# Altium PCB PCB1.PcbDoc (continued)
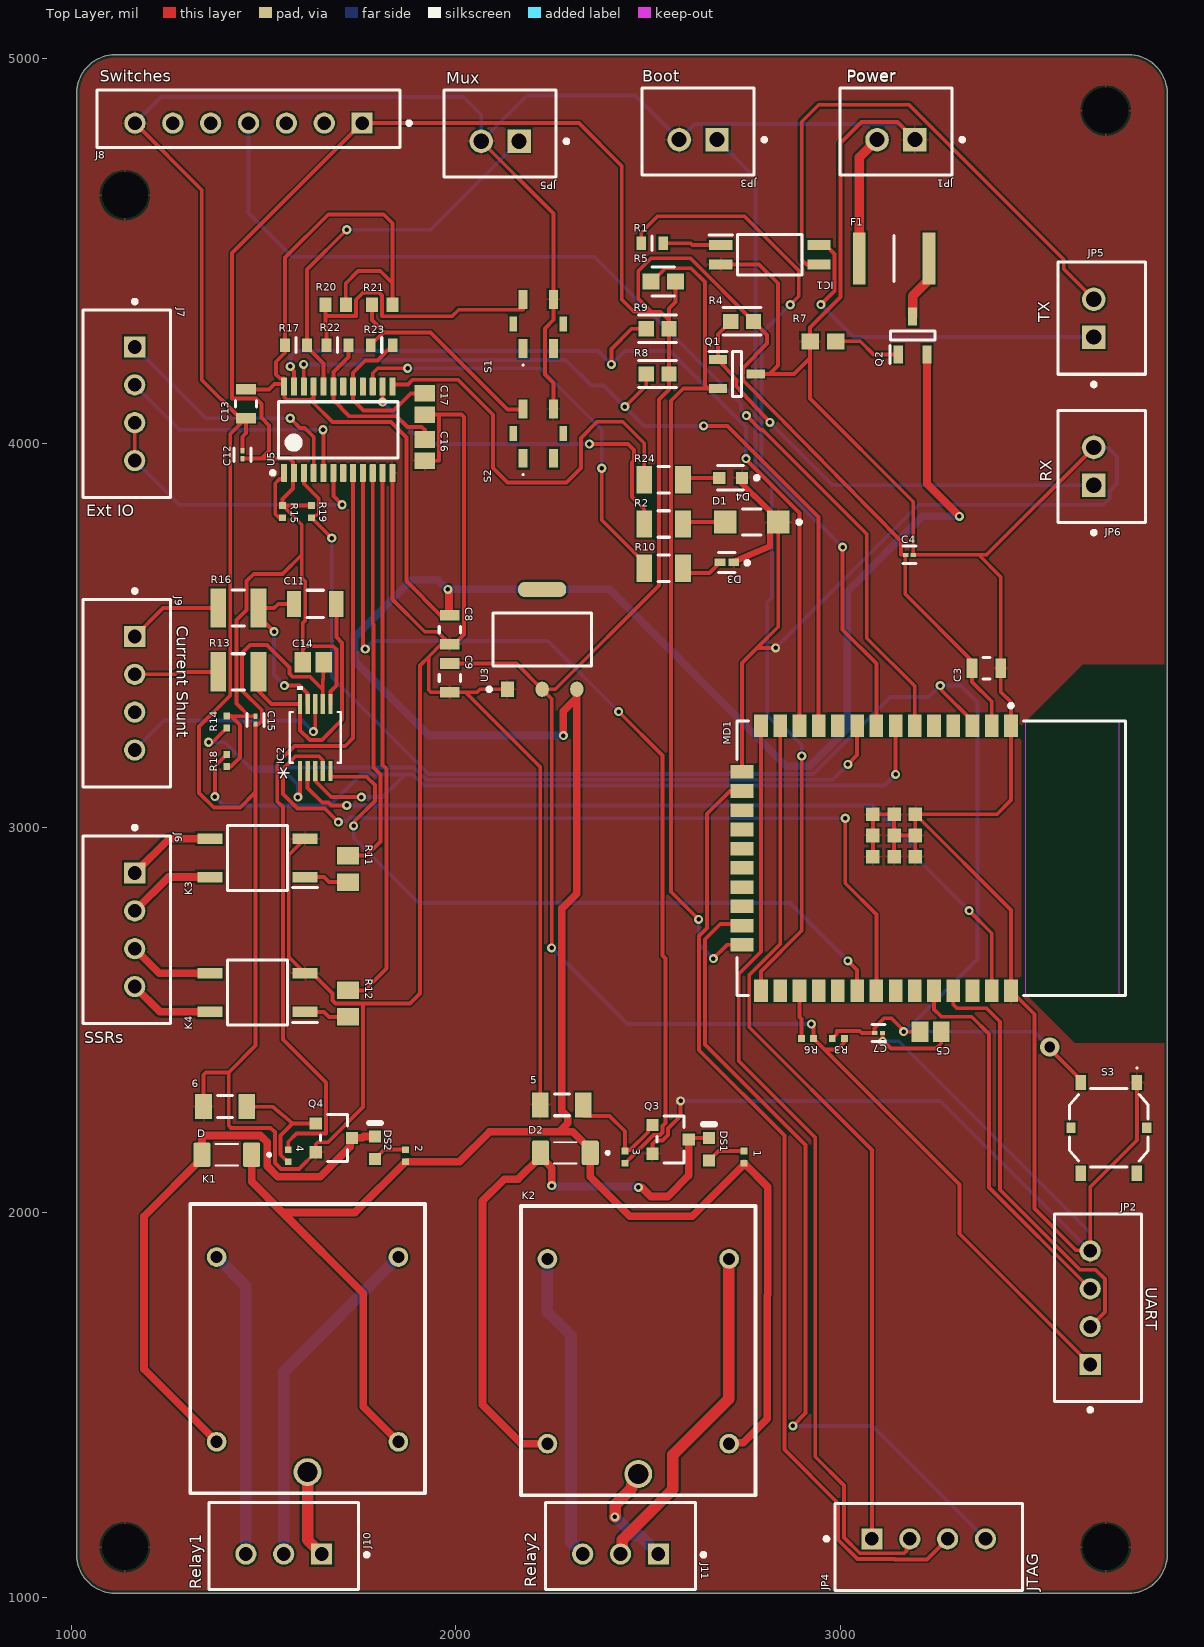
[diagram p0: Top Layer view]
## Part data (continued)
D D2: "Diode Standard 100V 200mA Surface Mount SOD-80", Package="SOD-80-2 ON Semiconductor", Check_prices=https://www.snapeda.com/parts/FDLL4148/ON%20Semiconductor/view-part/2783433/?ref=eda, Digi-Key_Part_Number=FDLL4148CT-ND, DigiKey-Purchase-URL=https://snapeda.com/shop?store=DigiKey&id=2783433, MF="ON Semiconductor", Mouser-Purchase-URL=https://snapeda.com/shop?store=Mouser&id=2783433, MP=FDLL4148, SnapEDA_Link=https://www.snapeda.com/parts/FDLL4148/ON%20Semiconductor/view-part/2783433/?ref=snap
D1: library part CMP-21615-000001-1, "LED RED DIFFUSED CHIP SMD", Case Code (Imperial)=1206, Case Code (Metric)=3216, Color=Red, Forward Current=20mA, Forward Voltage=2.1V, Lens Color=White, Max Operating Temperature=85°C, Min Operating Temperature=-40°C, Package Quantity=1, Power Dissipation=65mW, Reverse Voltage=5V, Case/Package=1206, Depth=1.6mm, Dominant Wavelength=626nm, Height=1.1mm, Illumination Color=Red, Lead Free="Lead Free", Length=3.2mm, Lens Style=Rectangular, Lens Transparency=Diffused, Luminous Intensity=10mcd, Mount="Surface Mount", Number of Elements=1, Number of LEDs=1, Number of Pins=2, Packaging="Tape and Reel", Power Rating=65mW, Radiation Hardening=No, REACH SVHC="No SVHC", Test Current=20mA, Viewing Angle=170°, Wavelength=626nm, Width=1.6mm
D3: library part CMP-44529-000029-1, "LED GREEN CLEAR CHIP SMD", Case Code (Imperial)=0402, Case Code (Metric)=1005, Color=Green, Forward Voltage=2V, Lens Color=Colorless, Package Quantity=1, Test Current=20mA, Case/Package=0402, Dominant Wavelength=571nm, Height=0.25mm, Lead Free="Lead Free", Length=1mm, Lens Transparency=Clear, Luminous Intensity=35mcd, Mount="Surface Mount", Packaging="Tape and Reel", Viewing Angle=120°, Width=0.5mm
D4: library part CMP-2000-06624-2, "LED BLUE CLEAR CHIP SMD", Case Code (Imperial)=0603, Case Code (Metric)=1608, Color=Blue, Forward Current=20mA, Forward Voltage=2.8V, Lens Color=Colorless, Max Operating Temperature=80°C, Min Operating Temperature=-20°C, Package Quantity=1, Power Dissipation=76mW, Reverse Voltage=5V, Test Current=5mA, Case/Package=0603, Depth=0.8mm, Dominant Wavelength=475nm, Height=0.35mm, Illumination Color=Blue, Lead Free="Lead Free", Length=1.6mm, Lens Style=Diffused, Lens Transparency=Clear, Luminous Intensity=15mcd, Mount="Surface Mount", Number of Elements=1, Number of LEDs=1, Number of Pins=2, Packaging="Tape and Reel", Radiation Hardening=No, RoHS Compliant=Yes, Viewing Angle=130°, Width=0.8mm
DS1 DS2: library part CMP-1744-00003-1, "LED Uni-Color Yellow, 65 mW, 20 mA, -40 to 85 degC, 2-Pin SMD, RoHS, Tape and Reel", Case Code (Imperial)=0603, Case Code (Metric)=1608, Max Operating Temperature="155 degC", Min Operating Temperature="-55 degC", Package Quantity=5000, Power Rating="100 mW", Resistance="390 Ohm", Tolerance=1%, Voltage Rating="50 V", Case\Package=0603, ComponentLink1Description="Manufacturer URL", ComponentLink1URL=http://www.avagotech.com/, ComponentLink2Description=Datasheet, ComponentLink2URL=http://docs.avagotech.com/docs/AV02-0551EN, ComponentLink3Description="Package Specification", ComponentLink3URL=http://www.fairchildsemi.com/dwg/MA/MA03D.pdf, DatasheetVersion=Mar-12, Height="0.45 mm", Length="1.6 mm", Mount="Surface Mount", PackageDescription="2-Pin Surface Mount Device, Body 1.6 x 0.8 mm, Height 0.9 mm", PackageReference=HSMX-C190, Packaging="Tape and Reel", Pins=2, REACH SVHC="No SVHC", RoHSCompliant=true, Voltage Rating (DC)="50 V", Width="0.8 mm"
F1: "Fuse", Manufacturer_Name=Bourns, Mouser Part Number=652-MF-MSMF150-2, Arrow Part Number=MF-MSMF150-2, Arrow Price/Stock=https://www.arrow.com/en/products/mf-msmf150-2/bourns?region=nac, Datasheet Link=https://componentsearchengine.com/Datasheets/2/MF-MSMF150-2.pdf, Height=0.85mm, Manufacturer_Part_Number=MF-MSMF150-2, Mouser Price/Stock=https://www.mouser.co.uk/ProductDetail/Bourns/MF-MSMF150-2?qs=VJkZAnU6DY2RTCSZT8Bxqg%3D%3D
IC1: "Integrated Circuit", Arrow Part Number=EL3H7(B)(TA)-G, Manufacturer_Name=Everlight, Mouser Part Number=638-EL3H7BTAG, Arrow Price/Stock=https://www.arrow.com/en/products/el3h7-b-ta-g/everlight-electronics?region=nac, Datasheet Link=https://www.arrow.com/en/products/el3h7-b-ta-g/everlight-electronics?region=nac, Height=2mm, Manufacturer_Part_Number=EL3H7(B)(TA)-G, Mouser Price/Stock=https://www.mouser.co.uk/ProductDetail/Everlight/EL3H7BTA-G?qs=8PzhAHr7IdM%252B0XGOXhFFCg%3D%3D
IC2: "No Description Available", Mfr_Name="Texas Instruments", RefDes=RefDes, Type=Linear
J6 J7 J9 JP2 JP4: library part CMP-17439-000250-1, "CONN HEADER VERT 4POS 2.5MM", Color=Natural, Contact Resistance=20mR, Current Rating=3A, Flammability Rating="UL94 V-0", Housing Color=White, Insulation Resistance=1GR, Max Operating Temperature=85°C, Max Voltage Rating (AC)=250V, Min Operating Temperature=-25°C, Package Quantity=500, Connector Type=Header, Contact Finish - Mating=TIN, Contact Material=Brass, Contact Plating=Tin, Contact Shape=Square, Contact Type="Male Pin", Depth=5.75mm, Fastening Type=Detent, Gender=Male, Housing Material=Polyamide, Insulation Color=Natural, Insulation Material=Nylon, Lead Free="Lead Free", Lead Pitch=2.5mm, Length=12.4mm, Mated Stacking Heights=9.8mm, Material=Polyamide, Max Current Rating=3A, Max Voltage Rating (DC)=250V, Mount="Through Hole", Number of Contacts=4, Number of Positions=4, Number of Rows=1, Orientation=Straight, Packaging=Bulk, Pitch=2.5mm, REACH SVHC="No SVHC", Series=XH, Termination=Solder, Voltage Rating=250V, Voltage Rating (AC)=250V, Wire/Cable Gauge=22AWG
  JP2: Purpose=UART
  JP4: Purpose=JTAG
J8: library part CMP-17439-000532-1, "CONN HEADER VERT 7POS 2.5MM", Color=Natural, Current Rating=3A, Flammability Rating="UL94 V-0", Housing Color=White, Voltage Rating=250V, Connector Type=Header, Contact Finish - Mating=TIN, Contact Material=Brass, Contact Mating Length=0.13inch, Contact Plating=Tin, Contact Shape=Square, Contact Type="Male Pin", Fastening Type=Friction, Gender=Male, Housing Material=Nylon, Insulation Color=Natural, Insulation Material=Nylon, Lead Free="Lead Free", Mated Stacking Heights=8.1mm, Mount="Through Hole", Number of Contacts=7, Number of Positions=7, Number of Rows=1, Orientation=Straight, Packaging=Bulk, Pitch=2.5mm, Series=EH, Termination=Solder
J10 J11: library part CMP-17439-000014-3, "CONN HEADER VERT 3POS 2.5MM", Color=Natural, Contact Resistance=20mR, Current Rating=3A, Flammability Rating="UL94 V-0", Housing Color=White, Insulation Resistance=1GR, Max Operating Temperature=85°C, Max Voltage Rating (AC)=250V, Min Operating Temperature=-25°C, Connector Type=Header, Contact Finish - Mating=TIN, Contact Material=Brass, Contact Plating=Tin, Contact Shape=Square, Contact Type="Male Pin", Depth=5.75mm, Fastening Type=Detent, Gender=Male, Housing Material=Polyamide, Insulation Color=Natural, Insulation Material=Nylon, Lead Free="Lead Free", Lead Pitch=2.5mm, Length=9.9mm, Max Current Rating=3A, Max Voltage Rating (DC)=250V, Mount="Through Hole", Number of Contacts=3, Number of Positions=3, Number of Rows=1, Orientation=Straight, Packaging=Bulk, Pitch=2.5mm, REACH SVHC="No SVHC", Series=XH, Termination=Solder, Voltage Rating=250V, Voltage Rating (AC)=250V, Wire/Cable Gauge=22AWG
JP1 JP3 JP5 JP5 JP6: library part CMP-2000-05888-3, "CONN HEADER VERT 2POS 2.5MM", Color=Natural, Contact Resistance=20mR, Current Rating=3A, Housing Color=White, Insulation Resistance=1GR, Max Operating Temperature=85°C, Max Voltage Rating (AC)=250V, Min Operating Temperature=-25°C, Connector Type="Male Pin", Contact Material=Brass, Contact Plating=Tin, Contact Type="Male Pin", Depth=5.75mm, Fastening Type=Detent, Housing Material=Polyamide, Lead Free="Lead Free", Lead Pitch=2.5mm, Length=7.4mm, Max Current Rating=3A, Max Voltage Rating (DC)=250V, Mount="Through Hole", Number of Contacts=2, Number of Positions=2, Number of Rows=1, Orientation=Straight, Packaging=Bulk, Pitch=2.5mm, REACH SVHC="No SVHC", Series=XH, Termination=Solder, Voltage Rating=250V, Voltage Rating (AC)=250V, Wire/Cable Gauge=22AWG
  JP3: Purpose="Boot Option"
  JP5: Purpose=Transmit
  JP5: Purpose=Mux
  JP6: Purpose=Receive
K1 K2: "Relay or Contactor", Manufacturer_Name="Songle Relay", Datasheet Link=http://files.microjpm.webnode.com/200001010-dda41de9e1/Songle%20Relay%20Datasheet.pdf, Manufacturer_Part_Number=SRD-05VDC-SL-C
K3 K4: "Relay or Contactor", Manufacturer_Name=Panasonic, Datasheet Link=https://componentsearchengine.com/Datasheets/2/AQY282SX.pdf, Height=2.3mm, Manufacturer_Part_Number=AQY-282SX
MD1: library part CMP-194065-000026-1, "RX TXRX MOD WIFI TRACE ANT SMD"
Q1: "MOSFET (N-Channel)", Manufacturer_Name="Alpha & Omega Semiconductors", Arrow Part Number=AO3400A, Arrow Price/Stock=https://www.arrow.com/en/products/ao3400a/alpha-and-omega-semiconductor?region=europe, Datasheet Link=http://aosmd.com/res/data_sheets/AO3400A.pdf, Height=1.25mm, Manufacturer_Part_Number=AO3400A
Q2: "MOSFET (P-Channel)", Manufacturer_Name="Alpha & Omega Semiconductors", Arrow Part Number=AO3401A, Arrow Price/Stock=https://www.arrow.com/en/products/ao3401a/alpha-and-omega-semiconductor?region=nac, Datasheet Link=http://www.aosmd.com/pdfs/datasheet/AO3401A.pdf, Height=1.25mm, Manufacturer_Part_Number=AO3401A
Q3 Q4: library part CMP-83955-000006-1, "MOSFET N-CH 30V 5.7A SOT23", Case/Package=SOT-23, Continuous Drain Current (ID)=5.7A, Drain to Source Voltage (Vdss)=30V, Gate to Source Voltage (Vgs)=12V, Input Capacitance=630pF, Max Operating Temperature=150°C, Max Power Dissipation=1.4W, Min Operating Temperature=-55°C, Lead Free="Lead Free", Mount="Surface Mount", Number of Elements=1, Number of Pins=3, Packaging="Tape and Reel", Power Dissipation=1.4W, Radiation Hardening=No, Rds On Max=26.5mR
R1: library part CMP-2000-00293-2, "RES SMD 180 OHM 1% 1/10W 0603", Manufacturer=Panasonic, Package=ERJ3EK, Power Rating=0.1W, Resistance=180Ω, Temperature="-55°C to +155°C", Temperature Coefficient=100ppm/°C, Temperature Range High=+155°C, Temperature Range Low=-55°C, Tolerance=1%, Voltage Rating=75V, Automotive=Yes, Automotive Grade="Grade 0", Category=Res, ComponentLink2Description=Datasheet, ComponentLink2URL=https://industrial.panasonic.com/cdbs/www-data/pdf/RDA0000/AOA0000C304.pdf, Composition="Thick Film", Device Class L1="Passive Components", Device Class L2=Resistors, Device Class L3="Chip SMD Resistors", Digikey Description="RES SMD 180 OHM 1% 1/10W 0603", Footprint Url=https://industrial.panasonic.com/cdbs/www-data/pdf/RDA0000/DMA0000COL17.pdf, Height=0.55mm, Lead Free=Yes, Manufacturer Part Number=ERJ3EKF1800V, Mouser Description="Thick Film Resistors 0603 180ohms 1% AEC-Q200", Octopart=https://octopart.com/erj-3ekf1800v-panasonic-55421532, RoHS=TRUE, Series=ERJ
R2 R10 R24: library part CMP-2003-02098-2, "RES Thick Film, 330Ω, 1%, 0.25W, 100ppm/°C, 1206", Case Code (Imperial)=1206, Case Code (Metric)=3216, Max Operating Temperature=155°C, Max Power Dissipation=250mW, Min Operating Temperature=-55°C, Package Quantity=10, Resistance=330R, Temperature Coefficient=100ppm/°C, Tolerance=1%, Voltage Rating=200V, Case/Package=1206, Composition="Thick Film", Contact Plating=Tin, Depth=1.6mm, Features="Automotive AEC-Q200", Height=0.55mm, Lead Free="Lead Free", Length=3.2mm, Military Standard=Not, Mount="Surface Mount", Number of Terminations=2, Packaging="Tape and Reel", Power Rating=250mW, Radiation Hardening=No, Termination=SMD/SMT, Voltage Rating (DC)=200V, Weight=0.000353oz, Width=1.6mm
R3 R6 R14 R15 R18 R19: library part CMP-2000-07588-1, "Chip Resistor, 10 KOhm, +/- 1%, 0.1 W, -55 to 155 degC, 0402 (1005 Metric), RoHS, Tape and Reel", Case Code (Imperial)=0402, Case Code (Metric)=1005, Manufacturer=Panasonic, Max Operating Temperature=155degC, Max Power Dissipation=100mW, Min Operating Temperature=-55degC, Package Description="2-Pin Surface Mount Device, Body 1 x 0.5 mm", Package Quantity=1, Package Reference=402, Resistance=10KOhm, Temperature Coefficient=100ppm\/degreesC, Tolerance=1%, Voltage Rating=50V, Case\/Package=0402, Composition=ThickFilm, Contact Plating=Tin, Datasheet URL=https://industrial.panasonic.com/cdbs/www-data/pdf/RDA0000/AOA0000C304.pdf, Datasheet Version=02/2017, Depth=0.5mm, Height=0.35mm, Lead Free=LeadFree, Length=1mm, Manufacturer URL=http://www.panasonic.com/, Military Standard=Not, Mount=SurfaceMount, Mounting Technology=SurfaceMount, Number of Pins=2, Number of Terminations=2, Packaging=TapeandReel, Power Rating=100mW, Radiation Hardening=No, REACH SVHC=NoSVHC, RoHSCompliant=True, Termination=SMD/SMT, Voltage Rating (DC)=50V, Width=0.02inch
R4 R8 R9: library part CMP-2000-00955-7, "RES SMD 2.2K OHM 0.1% 1/10W 0603", Case Code (Imperial)=0603, Case Code (Metric)=1608, Max Operating Temperature=155°C, Max Power Dissipation=100mW, Min Operating Temperature=-55°C, Package Quantity=5000, Ratings=AEC-Q200, Resistance=2.2kR, Resistance Tolerance=0.1%, Resistor Type="Thin Film", Temperature Coefficient=25ppm/°C, Voltage Rating=75V, Case/Package=0603, Construction=Rectangular, Contact Plating=Tin, Depth=0.8mm, Features="Automotive AEC-Q200", Height=0.45mm, Lead Free="Lead Free", Length=1.6mm, Military Standard=Not, Mount="Surface Mount", Number of Pins=2, Number of Terminations=2, Packaging="Tape and Reel", Power Rating=100mW, Radiation Hardening=No, Reach SVHC Compliant=Yes, RoHS Compliant=Yes, Series=ERA-3A, Size Code=0603, Technology="METAL FILM", Termination=SMD/SMT, Tolerance=0.1%, Voltage Rating (DC)=75V, Width=0.8mm
R5: library part CMP-2000-03013-2, "RES Thick Film, 1MΩ, 1%, 0.1W, 100ppm/°C, 0603", Case Code (Imperial)=0603, Case Code (Metric)=1608, Max Operating Temperature=155°C, Max Power Dissipation=100mW, Min Operating Temperature=-55°C, Package Quantity=10, Resistance=1MR, Temperature Coefficient=100ppm/°C, Tolerance=1%, Voltage Rating=75V, Case/Package=0603, Composition="Thick Film", Contact Plating=Tin, Depth=0.85mm, Features="Automotive AEC-Q200", Height=0.45mm, Lead Free="Lead Free", Length=1.55mm, Military Standard=Not, Mount="Surface Mount", Number of Pins=2, Number of Terminations=2, Packaging="Tape and Reel", Power Rating=100mW, Radiation Hardening=No, Termination=SMD/SMT, Voltage Rating (DC)=75V, Weight=7.1E-05oz, Width=0.85mm
R7: library part CMP-2000-00213-2, "Chip Resistor, 120 Ohm, +/- 1%, 0.1 W, -55 to 155 degC, 0603 (1608 Metric), RoHS, Tape and Reel", Case Code (Imperial)=0603, Case Code (Metric)=1608, Manufacturer=Panasonic, Max Operating Temperature=155degC, Max Power Dissipation=100mW, Min Operating Temperature=-55degC, Package Description="2-Pin Surface Mount Device, Body 1.6 x 0.85 mm", Package Quantity=1, Resistance=120Ohm, Temperature Coefficient=100ppm/degreesC, Tolerance=1%, Voltage Rating=75V, Case/Package=0603, Composition=ThickFilm, Contact Plating=Tin, Datasheet URL=https://industrial.panasonic.com/cdbs/www-data/pdf/RDA0000/AOA0000C283.pdf, Datasheet Version=42095.0, Depth=0.8mm, Height=0.022inch, Lead Free=LeadFree, Length=1.6mm, Manufacturer URL=http://www.panasonic.com/, Military Standard=Not, Mount=SurfaceMount, Number of Pins=2, Number of Terminations=2, Package Reference=0603, Package URL=http://www.st.com/st-web-ui/static/active/en/resource/technical/document/datasheet/CD00001320.pdf, Packaging=TapeandReel, Power Rating=100mW, Radiation Hardening=No, REACH SVHC=NoSVHC, RoHSCompliant=true, Termination=SMD/SMT, Voltage Rating (DC)=75V, Width=0.031inch
R11 R12: library part CMP-2001-00044-1, Manufacturer=Panasonic, Part Number=ERJ6ENF2200V
R13 R16: library part CMP-1015-00284-2, Manufacturer=Panasonic, Resistance=10Ohm, Part Number=ERJ-14NF10R0U
R17 R22 R23: library part CMP-2000-00956-2, "RES SMD 22K OHM 0.1% 1/10W 0603", Case Code (Imperial)=0603, Case Code (Metric)=1608, Max Operating Temperature=155°C, Max Power Dissipation=100mW, Min Operating Temperature=-55°C, Package Quantity=1, Resistance=22kR, Resistance Tolerance=0.1%, Resistor Type="Thin Film", Temperature Coefficient=25ppm/°C, Voltage Rating=75V, Case/Package=0603, Construction=Rectangular, Contact Plating=Tin, Depth=0.8mm, Features="Automotive AEC-Q200", Height=0.45mm, Lead Free="Lead Free", Length=1.6mm, Military Standard=Not, Mount="Surface Mount", Number of Pins=2, Number of Terminations=2, Packaging="Tape and Reel", Power Rating=100mW, Radiation Hardening=No, REACH SVHC="No SVHC", RoHS Compliant=Yes, Series=ERA-3A, Size Code=0603, Technology="THIN FILM", Termination=Solder, Tolerance=0.1%, Voltage Rating (DC)=75V, Width=0.8mm
R20 R21: library part CMP-2000-00804-1, Manufacturer=Panasonic, Resistance=51K, Part Number=ERJ-3GEYJ513V
S1 S2: "Switch", Manufacturer_Name="CUI Devices", Mouser Part Number=179-134035BK160SMTTR, Datasheet Link=https://www.cuidevices.com/product/resource/ts21.pdf, Height=1.7mm, Manufacturer_Part_Number=TS21-34-035-BK-160-SMT-TR, Mouser Price/Stock=https://www.mouser.co.uk/ProductDetail/CUI-Devices/TS21-34-035-BK-160-SMT-TR?qs=1Kr7Jg1SGW9zzGN58LP5Sg%3D%3D
S3: "Switch", Arrow Part Number="PTS526SMG20SMTR21 LFS", Manufacturer_Name="C & K COMPONENTS", Mouser Part Number=611-PTS526SMG20S21LF, Arrow Price/Stock=https://www.arrow.com/en/products/pts526smg20smtr21-lfs/ck?region=nac, Datasheet Link=https://www.ckswitches.com/media/2780/pts526.pdf, Height=2.15mm, Manufacturer_Part_Number="PTS526SMG20SMTR21 LFS", Mouser Price/Stock=https://www.mouser.co.uk/ProductDetail/CK/PTS526SMG20SMTR21-LFS?qs=MyNHzdoqoQLOqPcVU%2F1RhA%3D%3D
U3: library part CMP-209535-000001-1, "LDO Voltage Regulators 1A, 3.3V", Dropout Voltage=1.1V, Manufacturer="Advanced Monolithic Systems", Max Junction Temp=+125°C, Max Power Dissipation=1.2W, Max Supply Voltage=15V, Nominal Supply Current=5mA, Output Current=1A, Output Voltage=3.3V, Package=AMS1117, Temperature="-40°C to +125°C", Temperature Range Low=-40°C, Automotive=No, Category=IC, ComponentLink2Description=Datasheet, ComponentLink2URL=http://www.advanced-monolithic.com/pdf/ds1117.pdf, Device Class L1="Integrated Circuits (ICs)", Device Class L2="Power Management ICs", Device Class L3="Voltage Regulators - Linear", Height=1.8mm, Ipc Land Pattern Name=SOT229P700X180-4, Lead Free=Yes, Manufacturer Part Number=AMS1117-3.3, Number Of Outputs=1, Octopart=https://octopart.com/ams1117-3.3-advanced+monolithic+systems-25899300, Output Type=Fixed, RoHS=TRUE, Standoff Height=0.64mm, Temperature Range High=+125°C
U5: library part CMP-0314-00263-2, "Low-Voltage 16-Bit I2C and SMBus I/O Expander, 16 Outputs, 1.65 to 5.5 V, -40 to 85 degC, 24-pin TSSOP (PW), Green (RoHS & no Sb/Br)", 5V Tolerant I/O=Yes, Manufacturer="Texas Instruments", Max Frequency(kHz)=400, # of I/Os=16, Code_JEDEC=MO-153, ComponentLink1Description=Datasheet, ComponentLink1URL=http://www.ti.com/general/docs/lit/getliterature.tsp?genericPartNumber=TCA6416A&fileType=pdf, ComponentLink2Description="Package Specification", ComponentLink2URL=http://www.ti.com/litv/pdf/mpds177g, Configuration Registers=Yes, DatasheetVersion=SCPS194A, Eco-Plan="Green (RoHS & no Sb/Br)", fSCLK(Max)(MHz)=400, I2C Address="0100 00x", Interrupt Output=Yes, Low Power=Yes, Mounting Technology="Surface Mount", No. of Outputs=16, PackageDescription="24-Pin Thin Small Outline Package 0.65 mm Pitch", PackageReference=PW0024A, PackageVersion="revG, Feb-2011", PartNumber=TCA6416APWR, Push-Pull I/O Type=Yes, Reset Input=Yes, SubFamily="I2C IO Expander", Vcc range(V)="1.65 to 5.5", VCC(Max)(V)=5.5, VCC(Min)(V)=1.65

## Free pads (board coordinates)
  round 60 hole 120.08: 2(3690,4865) 3(3690,1130) 4(1140,1130) 5(1140,4645)

## Via types
v1: diameter 23.62, hole 11.81, Top Layer to Bottom Layer, tented both sides, 54 vias
v2: diameter 50, hole 28, Top Layer to Bottom Layer, tented both sides, 1 vias

## Nets (pads, with @x,y where several pads share a name; then routed paths per layer and width w, separated by ;. In a path a pad name is that pad's centre, name@x,y a point inside that pad or via, vN(x,y) a via of type N, cw(c..) or ccw(c..) an arc to the next point about the centre after c; other vN are vias at no path point)
3.3V: C3.1 C4.1 C9.1 C12.2 C14.1 C15.1 IC2.6 J8.1 JP2.1 MD1.2 R3.1 R4.2 R5.2 R6.1 R8.2 R9.2 R14.1 R15.1 R18.2 R19.2 U3.2 U5.2 | length 10161.4
  Top Layer w10: R18.2 1416,3159.25 1439.81,3183.06 1439.81,3266.94 1416.22,3290.53 ; R14.1 1416.22,3290.53 ; C12.2 1494.99,3959.99 ; C15.1 1463.48,3290.01 ; R15.1@1552.11,3836.05 1600,3788.16 1600,3710 ; C14.1 1602.44,3464 ; R19.2 R15.1 1550,3855 1576.97,3881.97 1576.97,3919.92 U5.2 1576.97,3925.67 1576.97,3951.03 1568,3960 1495,3960 ; IC2.6 1674.38,3354.19 1690,3369.81 1690,3464 1682,3472 1610.44,3472 1602.44,3464 ; C9.1 2157.87,3427.4 U3.2 ; v1(2249.37,2688) 2250,2688.63 2250,3335.28 U3.2 ; 2510,4341 2475,4376 2475,4448 2508,4481 2610.36,4481 R4.2 ; R5.2 2572.1,4367.51 2554.59,4350 2554.59,4320 ; 2746.81,4164.05 2746.81,4169.22 2746.49,4178.94 2746.81,4181.81 2746.81,4195.95 2810,4259.14 2810,4281.32 R4.2 ; 2746.83,4164.03 2746.99,4163.87 2749.68,4161.13 3158,3746 3158,3710 C4.1@3169,3710 ; v1(2925,2490) 2925,2486.31 2930.75,2480.57 R6.1 2959.36,2423.68 ; R3.1 3010.75,2442.42 2992,2423.68 2959.36,2423.68 ; C4.1 C4.1@3169,3710 ; MD1.2 3393.94,3328.06 3342.6,3379.4 C3.1 3342.6,3434 3169,3607.6 C4.1@3169,3710 ; JP2.1 3310,1944.72 3310,2073.03 2959.36,2423.68 ; 1416.22,3290.53 1442.74,3290.01 1463.48,3290.01 ; 1463.48,3290.01 1430,3323.5 1430,3540 1456.5,3566.5 1456.5,3641.5 1475,3660 1550,3660 1600,3710 ; 1495,3960 1514.7,3979.7 1514.7,4015.2 1515,4015.5 1515,4046.5 1495,4066.5 1495,4102 1481,4116 1419,4116 1419,4494.39 J8.1 2320.76,4832.24 2432,4721 2432,4374 2464,4342 2510,4342 2532.59,4342 2554.59,4320 ; 1600,3710 1600,3650 1609,3641 1609,3539 1602.44,3532.44 1602.44,3464 ; U3.2 2259,3360.28 2529,3630.28 2529,4114 2554.59,4139.59 R8.2 R9.2 2554.59,4320
  Bottom Layer w10: v1(2249.37,2688) 2447.37,2490 v1(2925,2490)
+5: F1.1 JP1.2 | length 328.5
  Top Layer w25: F1.1 3049.45,4742.99 JP1.2
AVRISP_RESET: JP3.1 MD1.25 | length 2365.2
  Top Layer w10: MD1.25 2793.94,2626.62 2900,2732.68 v1(2900,3186.81)
  Bottom Layer w10: JP3.1 2780,4688.94 2780,3934.79 2821.81,3892.98 2821.81,3598.2 2810.19,3586.58 2810.19,3291.81 2829.67,3272.33 2842.67,3272.33 2900,3215 v1(2900,3186.81)
BATTERY+: J9.2 R13.1 | length 219.7
  Top Layer w10: J9.2 1271,3399.21 1277.18,3405.39 R13.1
BLUE_LED: R24.1 U5.13 | length 1086.3
  Top Layer w10: U5.13 1835.75,4153 1876,4153 1888,4165 2006,4165 2097,4074 2097,3936 2135,3898 2288,3898 2326,3936 2326,4014 2368,4056 2434.48,4056 2490.48,4000 R24.1
CHARGER: J9.1 R16.1 | length 247.7
  Top Layer w10: J9.1 1239.49,3571.46 R16.1
DISPLAY_LED: U5.16
EXT_IO_A: J7.1 U5.4 | length 655.6
  Top Layer w10: v1(1570,4065) 1595.82,4039.18 1607.82,4039.18 1631.02,4015.98 U5.4
  Bottom Layer w10: J7.1 1350.95,4065 v1(1570,4065)
EXT_IO_B: J7.2 U5.5 | length 650.7
  Top Layer w10: v1(1655.23,4035) 1656.61,4033.61 U5.5
  Bottom Layer w10: J7.2 1282.52,4035 v1(1655.23,4035)
EXT_IO_C: J7.3 J7.4 U5.6 | length 777.6
  Top Layer w10: J7.4 J7.3 ; U5.6 1682.2,3862.8 v1(1705,3840)
  Bottom Layer w10: J7.4 1280.67,3840 v1(1705,3840)
EXT_IO_D: U5.7
FUSED5V: 1.1 2.1 C8.1 C13.1 D2.C D.C K1.3 K2.3 Q2.2 R17.2 R20.2 R21.2 U3.3 U5.21 U5.24 | length 10161.3
  Top Layer w10: C13.1 1515.15,4140 1528.96,4153.81 1551.38,4153.81 U5.24@1554.25,4150.93 ; U5.21 1631.02,4120 ; R20.2 1714.53,4416 1746.53,4448 1804.03,4448 1836.03,4416 ; R21.2 1836.03,4416 ; C8.1@1961,3552.4 1872,3641.4 1872,4015 1832.04,4054.96 1680.04,4054.96 1631.02,4103.98 1631.02,4120 ; U5.24@1554.25,4150.93 1554.25,4168.19 1544,4168.19 1533.19,4179 1533.19,4211.81 1556.46,4235.08 R17.2 1556.46,4482.46 1669,4595 1813.03,4595 1836.03,4572 1836.03,4416 ; U5.24@1554.25,4150.93 U5.24 1554.25,4120 1562.25,4112 1623.02,4112 1631.02,4120
  Top Layer w20: D.C 1469.57,2080.43 1550,2000 ; K1.3 1760,1494.96 1760,1790 1550,2000 ; v1(1980,3620) 1980,3619.02 1983,3616.02 1983,3556.18 1985,3554.18 C8.1 ; v1(2280,3240) 2280,3302.84 2315.16,3338 ; U3.3 2315.16,3338 ; K2.3@2713.43,1400.95 2747.63,1400.95 2810,1463.32 2810,1785 2811.81,1786.81 2811.81,2066.1 1.1 ; 1.1@2750,2125 2615,1990 2453.28,1990 2350.37,2092.91 2350.37,2164.27 2304.65,2210 2270,2210 ; Q2.2 3225.63,3894.37 v1(3310,3810) ; 1550,2000 1738.23,2000 2.1 2010,2131.77 2088.23,2210 2270,2210 ; 2270,2210 2291.72,2231.72 2291.72,2248.28 2276.18,2263.82 2276.18,2790.18 2315.16,2829.16 2315.16,3338
  Bottom Layer w20: v1(2280,3240) 1930,3240 1737,3433 1737,3496 1886,3645 1954.02,3645 1979.02,3620 v1(1980,3620) 2400,3620 2860,3160 2920,3160 3018,3258 3018,3614 3214,3810 v1(3310,3810)
GND: 5.1 6.1 C3.2 C4.2 C5.1 C7.1 C8.2 C9.2 C12.1 C13.2 C14.2 C15.2 C16.2 C17.2 D1.1 D3.1 D4.1 IC1.2 IC2.7 J8.7 JP1.1 JP2.4 JP3.2 JP5.2@2066.57,4785 JP6.2 K3.2 K4.2 MD1.1 MD1.15 MD1.38 MD1.39 pad.2 pad.3 pad.4 pad.5 Q1.3 Q3.2 Q4.2 R7.1 S1.4 S2.4 S3.1 U3.1 U5.12 | length 22599.1
  Top Layer w10: J8.7 1340,4658.54 1340,4164.2 1439,4065.2 C13.2 ; 6.1 1344.65,2358.14 1350.5,2364 1410,2364 ; C12.1 1445.75,4017 1455,4026.25 C13.2 ; K3.2 1566,2928.99 1566,2664.63 K4.2 1628,2621.61 1680,2569.61 1680,2551 1688,2543 1759,2543 ; IC2.7 1654.69,3360 ; C14.2 1654.69,3374 1654.69,3360 ; U5.12 1835.75,3593.85 1919.6,3510 1952.6,3510 C8.2 ; C16.2 1957,3954.49 1957,4074.49 ; C17.2 1957,4074.49 ; JP5.2@2066.57,4785 2254.37,4597.2 S1.4 2254.37,4321 2232,4298.63 2232,4179 2254.37,4156.63 S2.4 ; U3.1 2063.68,3360.28 2056,3352.6 2026,3352.6 ; 5.1 2220.08,3158.52 2026,3352.6 ; Q3.2 2511.74,2177.85 2520.54,2186.65 2537.84,2186.65 2552.48,2201.3 2552.48,2218.6 2585,2251.11 v1(2585,2290) ; IC1.2 2789,4465 2838,4416 2838,4202 2816,4180 ; MD1.15 2745,3145.87 2745,3421 2745,3429 2784,3468 ; Q1.3 2816,4180 ; v1(2832,3468) 2784,3468 ; D1.1 2838.9,3522.9 2784,3468 ; MD1.39@3084.88,2925 3084.88,2980.12 3084.88,3035.24 3140,3035.24 MD1.39@3140,2980.12 ; v1(3110,2445) v1@3111.51,2446.51 ; C7.1 v1@3111.51,2446.51 ; MD1.39@3140,2925 MD1.39@3140,2980.12 ; JP1.1 3148.54,4835 3055,4835 3000.32,4780.32 3000.32,4380 2921.54,4301.22 R7.1 2921.54,4221.54 ; MD1.39@3195.12,2925 MD1.39@3195.12,2980.12 ; C5.1 3262.56,2440 3248.56,2426 3132.01,2426 v1@3111.51,2446.51 ; JP6.2 3380.12,3710 3360,3710 ; S3.1 3771.26,2187.66 3650,2066.4 JP2.4 3648.3,1901.7 3613.3,1901.7 3505,2010 3505,2515.51 MD1.38 3443.94,2786.42 MD1.39@3195.12,3035.24 ; 1410,2364 1480,2434 1480,3093 ; 1410,2364 1410,2225.86 1415.86,2220 1519.14,2220 1530,2209.14 1530,2129.05 1546.14,2112.91 1592.93,2112.91 Q4.2 1636.48,2177.48 1641.7,2182.7 1667.92,2182.7 1759,2273.78 1759,2543 ; C13.2 1414,4024.2 1414,3344 1333.19,3263.19 1333.19,3090.81 1371,3053 1440,3053 1480,3093 ; 1480,3093 C15.2 1488,3269.99 1496,3277.99 1496,3306 1445,3357 1445,3455 1465,3475 1510,3475 1568,3417 1568,3401 1576,3393 1621.69,3393 1654.69,3360 ; 1759,2543 1881,2543 1907,2569 1907,3422 1930,3445 ; 1930,3445 1930,3358.46 1935.86,3352.6 C9.2 2026,3352.6 ; 1930,3445 1962.6,3477.6 C8.2 ; 1957,4074.49 2015.14,4074.49 2021.81,4067.82 2021.81,3502.6 1996.81,3477.6 C8.2 ; 2816,4180 2880,4180 2921.54,4221.54 ; 2921.54,4221.54 2921.54,4116.46 3190,3848 C4.2 3360,3710 ; MD1.39@3140,2980.12 MD1.39@3195.12,2980.12 ; MD1.39@3195.12,2980.12 MD1.39@3195.12,3035.24 ; MD1.39@3195.12,3035.24 3407.17,3035.24 3443.94,3072 MD1.1 3443.94,3327 3417.4,3353.54 C3.2 3417.4,3652.6 3360,3710
  Bottom Layer w10: J8.7 1234.06,4900 2020,4900 2066.57,4853.43 2066.57,4785 2185.57,4904 2466.51,4904 JP3.2 2621.85,4830 3153.54,4830 JP1.1 ; v1(2585,2290) 3260,2290 JP2.4 3650,1947 3152,2445 v1(3110,2445) ; v1(2832,3468) 3204,3840 3683.71,3840 3699.84,3856.13 3699.84,3874.84 3720,3895 3720,3965 3698.98,3986.02 3662.53,3986.02 JP6.2
GREEN_LED: R10.1 U5.15 | length 1107.6
  Top Layer w10: U5.15 1784.57,4177.86 1784.57,4182 1797.57,4195 v1(1875,4195) ; v1(2380,3935) 2380,3800.24 2490.48,3689.76 R10.1
  Bottom Layer w10: v1(1875,4195) 2220,4195 2380,4035 v1(2380,3935)
HSPI_CLK: JP4.1 MD1.13 | length 2279.6
  Top Layer w10: MD1.13 2843.94,2697.83 2763.53,2617.43 2763.53,2481.47 3082.36,2162.64 JP4.1
HSPI_MISO: JP4.2 MD1.14 | length 2465.4
  Top Layer w10: MD1.14 2793.94,2677.83 2736,2619.89 2736,2394 2935,2195 2935,1365 3010,1290 3010,1154.44 3050.66,1113.78 3166.44,1113.78 3172.3,1119.64 3172.3,1142.85 JP4.2
HSPI_MOSI: JP4.3 MD1.16 | length 2489.3
  Top Layer w10: MD1.16 2713.13,3095.87 2653.81,3036.54 2653.81,2739.49 2633.19,2718.87 2633.19,2421.81 2855,2200 2855,1383.31 2995,1243.31 2995,1148.23 3044.45,1098.78 3141.22,1098.78 3142,1098 3225.87,1098 JP4.3
i2c_SCK: MD1.11 R8.1 U5.22 | length 2242.5
  Top Layer w10: v1(1605,4205) 1605.22,4204.78 1605.22,4147.42 U5.22 ; v1(2440,4095) 2495.5,4150.5 R8.1 R8.1@2480.71,4165.21 ; v1(2645,4045) 2706.94,4045 2943.94,3808 MD1.11
  Bottom Layer w10: v1(1605,4205) 1745.45,4205 1757.27,4216.81 2286.5,4216.81 2353.19,4150.12 2384.88,4150.12 2490,4045 v1(2645,4045)
i2c_SDA: MD1.12 R9.1 U5.23 | length 2370.8
  Top Layer w10: v1(1570,4200) 1570,4196.31 1579.84,4186.47 U5.23 ; v1(2405,4205) 2405,4245 2457.64,4297.64 R9.1 ; v1(2755,3960) 2755,3957.95 2893.94,3819.02 MD1.12
  Bottom Layer w10: v1(1570,4200) 1571.09,4201.09 1571.09,4226.81 1584.28,4240 2370,4240 v1(2405,4205) 2440,4240 2557,4240 2755,4042 v1(2755,3960)
IO2: MD1.24 Q1.2 R5.1 | length 2170
  Top Layer w10: R5.1 2511.36,4420.32 2545.94,4454.9 2612.1,4454.9 2648,4419 2648,4150.6 2656,4142.6 ; v1(2632,2761.87) 2560,2833.87 2560,4110.6 2592,4142.6 2656,4142.6 ; v1(2670,2660) 2705.87,2695.87 MD1.24 ; Q1.2 2656,4142.6
  Bottom Layer w10: v1(2632,2761.87) 2632,2698 v1(2670,2660)
IO4: MD1.26
IO5: MD1.29
IO15: JP4.4 MD1.23 | length 2123.4
  Top Layer w10: MD1.23 2715.86,2750.21 2688,2750.21 2648.19,2710.39 2648.19,2436.81 2910,2175 2910,1478.19 v1(2876.81,1445)
  Bottom Layer w10: v1(2876.81,1445) 3083.98,1445 JP4.4
IO16: MD1.27 R6.2 | length 126.5
  Top Layer w10: MD1.27 2893.94,2508.56 2899.25,2503.25 R6.2
IO17: MD1.28
IO21: MD1.33
IO22: MD1.36
IO25: MD1.10
IO32: MD1.8 R1.1 | length 1860.4
  Top Layer w10: R1.1 2482.6,4547.6 2525,4590 2751,4590 2892,4449 2892,4382 v1(2870,4360) ; v1(3006,3730) 3006,3515 3093.94,3427.06 MD1.8
  Bottom Layer w10: v1(2870,4360) 2795,4285 2795,3941 v1(3006,3730)
IO33: IC2.1 MD1.9 R14.2 | length 2138.4
  Top Layer w10: v1(1357.61,3222.61) 1368.35,3222.61 R14.2 ; v1(1590,3080) 1590,3083.69 1595.62,3089.31 IC2.1 ; v1(3020,3165) 3043.94,3188.94 MD1.9
  Bottom Layer w10: v1(1357.61,3222.61) 1399.39,3222.61 1464.81,3157.19 ; v1(1590,3080) 1590,3112 1555,3147 1475,3147 1464.81,3157.19 ; v1(3020,3165) 2980,3125 1923.79,3125 1891.6,3157.19 1464.81,3157.19
IO34_INPUT: J8.4 MD1.6 | length 2747.2
  Top Layer w10: v1(2756.19,4071.66) 2792.85,4035 2798.21,4035 3069,3764.21 3069,3493 3193.94,3368.06 MD1.6
  Bottom Layer w10: J8.4 1461.57,4598.43 1575,4485 2360,4485 2742.27,4102.73 2742.27,4089.26 2756.19,4075.34 v1(2756.19,4071.66)
IO35_INPUT: IC2.3 MD1.7 R18.1 | length 2388.2
  Top Layer w10: v1(1374,3081) 1374,3160.25 1404.5,3190.75 R18.1 ; IC2.3 1635.5,3147.25 1635.5,3121.05 1676.55,3080 v1(1755,3080) ; v1(3143.94,3138.94) MD1.7
  Bottom Layer w10: v1(1374,3081) 1396.81,3058.19 1672.77,3058.19 1753.58,3139 1869,3139 ; v1(1755,3080) 1810,3080 1869,3139 ; v1(3143.94,3138.94) 3115,3110 1917.57,3110 1888.57,3139 1869,3139
IO36_INPUT: MD1.4
IO39_INPUT: MD1.5
Net1_2: 1.2 DS1.1 | length 101.7
  Top Layer w10: DS1.1 2683.08,2159.41 1.2
Net2_2: 2.2 DS2.1 | length 90.2
  Top Layer w10: DS2.1 1814.6,2163.27 2.2
Net3_2: 3.2 5.2 Q3.1 | length 308.9
  Top Layer w10: 5.2 2332.28,2251 2400,2251 2440,2211 3.2 2442.99,2162.4 2453.86,2162.4 2500.99,2209.53 2500.99,2216.65 Q3.1
Net4_2: 4.2 6.2 Q4.1 | length 316.8
  Top Layer w10: 6.2 1524,2275 1576.26,2231.26 ; 4.2@1564.11,2130.89 1545,2150 1545,2200 1576.26,2231.26 ; Q4.1 1576.26,2231.26
NetC11_1: C11.1 IC2.9 R16.2 | length 422.2
  Top Layer w10: v1(1528,3510.17) 1487.17,3551 R16.2 1528,3571.46 1538.83,3582.28 C11.1 ; v1(1555,3370) 1593.76,3370 1614.81,3348.95 1614.81,3322.75 IC2.9
  Bottom Layer w10: v1(1528,3510.17) 1528,3397 v1(1555,3370)
NetC11_2: C11.2 IC2.10 R13.2 | length 689.9
  Top Layer w10: R13.2 1487.17,3355.84 1521.01,3322 IC2.10@1595.62,3322 ; IC2.10 IC2.10@1595.62,3322 ; C11.2 1690.12,3495.88 1705,3481 1705,3281 1652.19,3228.19 1620.97,3228.19 1595.62,3253.53 IC2.10@1595.62,3322
NetD1_2: D1.2 R2.2 | length 112.3
  Top Layer w10: R2.2 2595.87,3795 D1.2
NetD2_A: D2.A DS1.2 K2.2 Q3.3 | length 1559.8
  Top Layer w10: v1(2475,2065) v1@2484.27,2065 ; Q3.3@2610.08,2193.86 DS1.2
  Top Layer w20: K2.2 2171.26,1398.74 2070,1500 2070,2030 2126.44,2086.44 2161.95,2086.44 2220.87,2145.35 2250,2116.22 v1(2250,2070) ; v1@2484.27,2065 2507.92,2041.35 2551.35,2041.35 2606.22,2096.22 Q3.3
  Bottom Layer w10: v1(2250,2070) v1@2252.5,2067.5 ; v1@2472.5,2067.5 v1(2475,2065)
  Bottom Layer w20: v1@2252.5,2067.5 v1@2472.5,2067.5
NetD3_2: D3.2 R10.2 | length 125.8
  Top Layer w10: R10.2 2590.87,3663 2660.28,3663 2678.5,3681.22 2678.5,3685.16 2683.35,3690 D3.2@2691.22,3690
NetD4_2: D4.2 R24.2 | length 96.7
  Top Layer w10: R24.2 2595.87,3910 D4.2
NetD_A: D.A DS2.2 K1.2 Q4.3 | length 1515.8
  Top Layer w20: K1.2 1190,1592.52 1190,1989.92 1340.43,2140.35 D.A 1340.43,2192 1348.43,2200 1492.14,2200 1510,2182.14 1510,2120.77 1537.86,2092.91 1647.91,2092.91 1725.22,2170.22 1725.22,2188.11 Q4.3 1758,2193.86 1761.86,2197.72 DS2.2
NetF1_2: F1.2 Q2.3 | length 168.3
  Top Layer w25: Q2.3 3188.23,4383 3230.55,4425.32 F1.2
NetIC1_1: IC1.1 R1.2 | length 151.3
  Top Layer w10: R1.2 2611,4520 2616,4515 IC1.1
NetIC1_3: IC1.3 JP5.2@3659.33,4374.21 | length 1410.7
  Top Layer w10: IC1.3 2912,4465 2900,4477 2900,4836 2944,4880 3179,4880 3581,4478 3581,4452.54 JP5.2@3659.33,4374.21
NetIC1_4: IC1.4 JP5.1@3659.33,4275.79 | length 941.2
  Top Layer w10: IC1.4 2962.52,4515 2985.32,4492.2 2985.32,4395.85 v1(2949.73,4360.27)
  Bottom Layer w10: v1(2949.73,4360.27) 3034.21,4275.79 JP5.1@3659.33,4275.79
NetJ6_1: J6.1 K3.3 | length 232.3
  Top Layer w20: J6.1 1255.04,2972.01 K3.3
NetJ6_2: J6.2 K3.4 | length 231.7
  Top Layer w20: J6.2 1253.47,2872.01 K3.4
NetJ6_3: J6.3 K4.3 | length 221.9
  Top Layer w20: J6.3 1229.84,2621.61 K4.3
NetJ6_4: J6.4 K4.4 | length 222.5
  Top Layer w20: J6.4 1231.42,2521.61 K4.4
NetJ10_1: J10.1 K1.1 | length 228.1
  Top Layer w30: K1.1 1615,1148.47 J10.1
NetJ10_2: J10.2 K1.5 | length 904.7
  Bottom Layer w30: J10.2 1553.07,1585.91 K1.5@1857.64,1890.47
NetJ10_3: J10.3 K1.4 | length 803.5
  Bottom Layer w30: K1.4 1454.64,1808.19 J10.3
NetJ11_1: J11.1 K2.1 | length 289.4
  Top Layer w30: v1(2414.3,1208.63) 2415,1209.33 2415,1240 2457.57,1282.57 2457.57,1291.08 2475,1308.52 K2.1
  Bottom Layer w30: v1(2414.3,1208.63) 2463.8,1159.13 2479.99,1159.13 J11.1
NetJ11_2: J11.2 K2.5 | length 883.6
  Top Layer w30: J11.2 2433.53,1116.78 2433.53,1148.53 2565,1280 2565,1370 2710,1515 K2.5@2710,1879.06
NetJ11_3: J11.3 K2.4 | length 805
  Bottom Layer w30: K2.4 2238.78,1741.22 2300,1680 2300,1142.27 J11.3
NetJP5_1: JP5.1@2165,4785 R17.1 U5.20 | length 1011.8
  Top Layer w10: U5.20 1656.61,4206.93 1613.54,4250 R17.1 1613.54,4451.54 v1(1717,4555)
  Bottom Layer w10: v1(1717,4555) 1935,4555 JP5.1@2165,4785
NetJP6_1: JP6.1 Q1.1 R4.1 | length 1239.5
  Top Layer w10: R4.1 2682.01,4283.33 Q1.1 2730.21,4165.01 2729.54,4149.06 v1(2817,4054)
  Bottom Layer w10: v1(2817,4054) 2980.21,3890.79 JP6.1
NetK3_1: K3.1 R11.2 | length 116.4
  Top Layer w10: K3.1 1658,2872.01 1670.99,2859.02 R11.2
NetK4_1: K4.1 R12.2 | length 116.4
  Top Layer w10: K4.1 1658,2521.61 1670.99,2508.62 R12.2
NetQ2_1: Q2.1 R7.2 | length 176.5
  Top Layer w10: R7.2 3052,4265 3086.21,4230.79 Q2.1
NetR15_2: R15.2 U5.1 | length 146.6
  Top Layer w10: R15.2 1540.7,3806.3 1531,3816 1531,3896 1542,3907 1554.25,3907 U5.1
RED_LED: R2.1 U5.14 | length 952.9
  Top Layer w10: v1(1810.16,4107) U5.14 ; v1(2348,3998) 2448,3998 2464,3982 2464,3955 2459,3950 2459,3860 2490.48,3828.52 R2.1
  Bottom Layer w10: v1(1810.16,4107) 1919.16,3998 v1(2348,3998)
RELAY1: 4.1 U5.8 | length 2056.6
  Top Layer w10: 4.1 1565,2184 1586,2205 1663,2205 1663,2338 1551,2450 1551,3054.07 1536.19,3068.89 1536.19,3168 1581.19,3213 1713,3213 1733.39,3233.39 U5.8
RELAY2: 3.1 U5.9 | length 2482.7
  Top Layer w10: U5.9 1758.98,3474.71 1765,3468.69 v1(1765,3465) ; v1(2424,3302) 2538,3188 2538,2667.97 2545.36,2660.61 2545.36,2232.68 2537.48,2224.81 2537.48,2207.51 2531.63,2201.65 2514.33,2201.65 2453.22,2140.55 2452.64,2140.55 3.1
  Bottom Layer w10: v1(1765,3465) 1786,3486 2240,3486 v1(2424,3302)
RELAY3_SSR: R11.1 U5.10 | length 1067
  Top Layer w10: R11.1 1768.48,2927.91 1805,2964.43 1805,3138.62 1786.81,3156.81 1786.81,3529.37 1784.57,3531.62 U5.10
RELAY4_SSR: R12.1 U5.11 | length 1416.4
  Top Layer w10: R12.1 1763.68,2577.52 1820,2633.84 1820,3153.62 1810.16,3163.47 U5.11
RESET: C5.2 C7.2 MD1.3 R3.2 R19.1 S3.3 U5.3 | length 4356.6
  Top Layer w10: U5.3 1605.43,3894.57 1644,3856 1644,3816 R19.1 v1(1678,3753.3) ; R3.2 2991,2464.03 2991,2472 3050.65,2472 3056,2466.65 C7.2@3089,2466.65 ; C7.2 C7.2@3089,2466.65 ; C5.2 v1(3165,2470) 3165,2473 3133,2505 3114,2505 3089,2480 C7.2@3089,2466.65 ; v1(3260,3370) 3262.61,3367.39 3262.61,3358.69 3343.94,3277.36 MD1.3 ; v2(3545,2430) 3545,2424.61 3625.59,2344.02 S3.3
  Bottom Layer w10: v1(1678,3753.3) 1678,3392 1930,3140 2930,3140 3130,3340 3230,3340 v1(3260,3370) 3313,3370 3356.81,3326.19 3356.81,2658.81 v1@3168,2470 ; v1(3165,2470) v1@3168,2470 ; v2(3545,2430) 3505,2470 v1@3168,2470
RXD0: JP2.3 MD1.34 | length 989.5
  Top Layer w10: MD1.34 3243.94,2528 3262.94,2509 3342,2509 3387,2464 3387,2064.57 JP2.3
SW1_EXT: R21.1 R23.1 S2.2 | length 578.2
  Top Layer w10: R23.1 1813.64,4289.23 ; R21.1 1782.88,4320 1813.64,4289.23 ; S2.2 2175.63,4088 2135,4088 1935,4288 1814.88,4288 1813.64,4289.23
SW1_OUTPUT: C17.1 R23.2 U5.17 | length 420.5
  Top Layer w10: R23.2 1796.5,4215 1765,4215 1733.39,4183.39 U5.17 1733.39,4112 1760.43,4084.96 1838.77,4084.96 1883.42,4129.61 C17.1
SW1EXT: J8.5
SW2_EXT: R20.1 R22.1 S1.2 | length 761.7
  Top Layer w10: R20.1 1661.38,4331 ; R22.1 1664.41,4305 1661.38,4308.03 1661.38,4331 ; S1.2 2175.63,4347 2008,4347 1991,4330 1809,4330 1809,4384 1801,4392 1760,4392 1741,4373 1741,4331 1661.38,4331
SW2_OUTPUT: C16.1 R22.2 U5.19 | length 453.8
  Top Layer w10: R22.2 1721.5,4224.29 1682.2,4185 U5.19 1682.2,4112 1724.24,4069.96 1847.04,4069.96 1875,4042 1912,4042 1920,4034 C16.1
SW2EXT: J8.6
TXD0: JP2.2 MD1.35 | length 1120.9
  Top Layer w10: MD1.35 3293.94,2541.06 3304,2531 3380,2531 3415,2496 3415,2059 3623,1851 3664,1851 3688,1827 3688,1741.15 JP2.2
VBUS: IC2.8 J9.4 | length 582.4
  Top Layer w10: v1(1630,3250) 1630,3253.69 1635,3258.69 IC2.8
  Bottom Layer w10: J9.4 1242.31,3279 1601,3279 v1(1630,3250)
VSPI_CLK: IC2.5 MD1.30 | length 1804.2
  Top Layer w10: IC2.5 1674.38,3133 1768,3133 1790,3111 1790,3070 1737.61,3017.61 1737.61,3007.61 v1(1735,3005) ; v1(3020,2654) 3043.94,2630.06 MD1.30
  Bottom Layer w10: v1(1735,3005) 1735,2974 1904,2805 2869,2805 v1(3020,2654)
VSPI_MISO: IC2.4 MD1.31 | length 2194.3
  Top Layer w10: IC2.4 1654.69,3176 1644.69,3186 1584,3186 1551.19,3153.19 1551.19,3087.97 1588.95,3050.21 1659.79,3050.21 v1(1695,3015) ; v1(3013,3025) 3013,2856 3093.94,2775.06 MD1.31
  Bottom Layer w10: v1(1695,3015) 1697.61,3017.61 1716.76,3017.61 1725.97,3026.81 1766.34,3026.81 1768.16,3025 v1(3013,3025)
VSPI_MOSI: IC2.2 MD1.37 | length 2141.3
  Top Layer w10: IC2.2 1615.31,3104 1653.31,3066 1669.33,3066 1677.15,3058.19 v1(1717,3058.19) ; v1(3335,2785) 3393.94,2726.06 MD1.37
  Bottom Layer w10: v1(1717,3058.19) 3083.81,3058.19 3204.2,2937.8 3204.2,2915.8 v1(3335,2785)
pads on no net: J8.2 J8.3 J9.3 MD1.17 MD1.18 MD1.19 MD1.20 MD1.21 MD1.22 MD1.32 S1.1 S1.3 S1.MP1 S1.MP2 S2.1 S2.3 S2.MP1 S2.MP2 S3.2 S3.4 S3.5 S3.6 U3.4 U5.18

## Polygon pours and split planes (outlines as drawn)
GND on Top Layer "NONET_L01_P-001" (solid, pour order 0): 765,5185 3865,5185 4170,4880 4170,1160 3700,690 785,690

## Other copper
Top Layer:
  region net GND: 2730,3920 2730,3900 2740,3890 2810,3820 2810,3736.9 2715,3696.9 2715,3680 2825,3727.5 2825,3825.28 2730.28,3920
Multi-Layer:
  pour cut-out: 3470,2580 3610,2440 3850,2440 3850,3425 3630,3425 3470,3265

## Silkscreen, mask and mechanical layers (free items; w line width, h text height)
Top Overlay:
  text "Power" at 3017.21,4940.7 h30
  text "Switches" at 1075,4940 h30
  text "Boot" at 2485,4940 h30
  text "Power" at 3017.21,4938.75 h30
  text "Mux" at 1975,4935 h30
  text "TX" at 3545,4315 h30 r90
  text "RX" at 3550,3900 h30 r90
  text "Ext IO" at 1040,3810 h30
  text "Current Shunt" at 1275,3525 h30 r270
  text "SSRs" at 1035,2440 h30
  text "UART" at 3795,1805 h30 r270
  text "Relay2" at 2210,1025 h30 r90
  text "Relay1" at 1339.25,1020.52 h30 r90
  text "JTAG" at 3515,1015 h30 r90
Mechanical 1:
  the board outline again, w10

## Text inside footprints (layer, text, board x,y; h text height)
IC2: Top Overlay "*" at 1589.62,3125.25 h50 r90; Mechanical 13 "*" at 1627,3176.5 h50 r90